# KiCad board raw.kicad_pcb
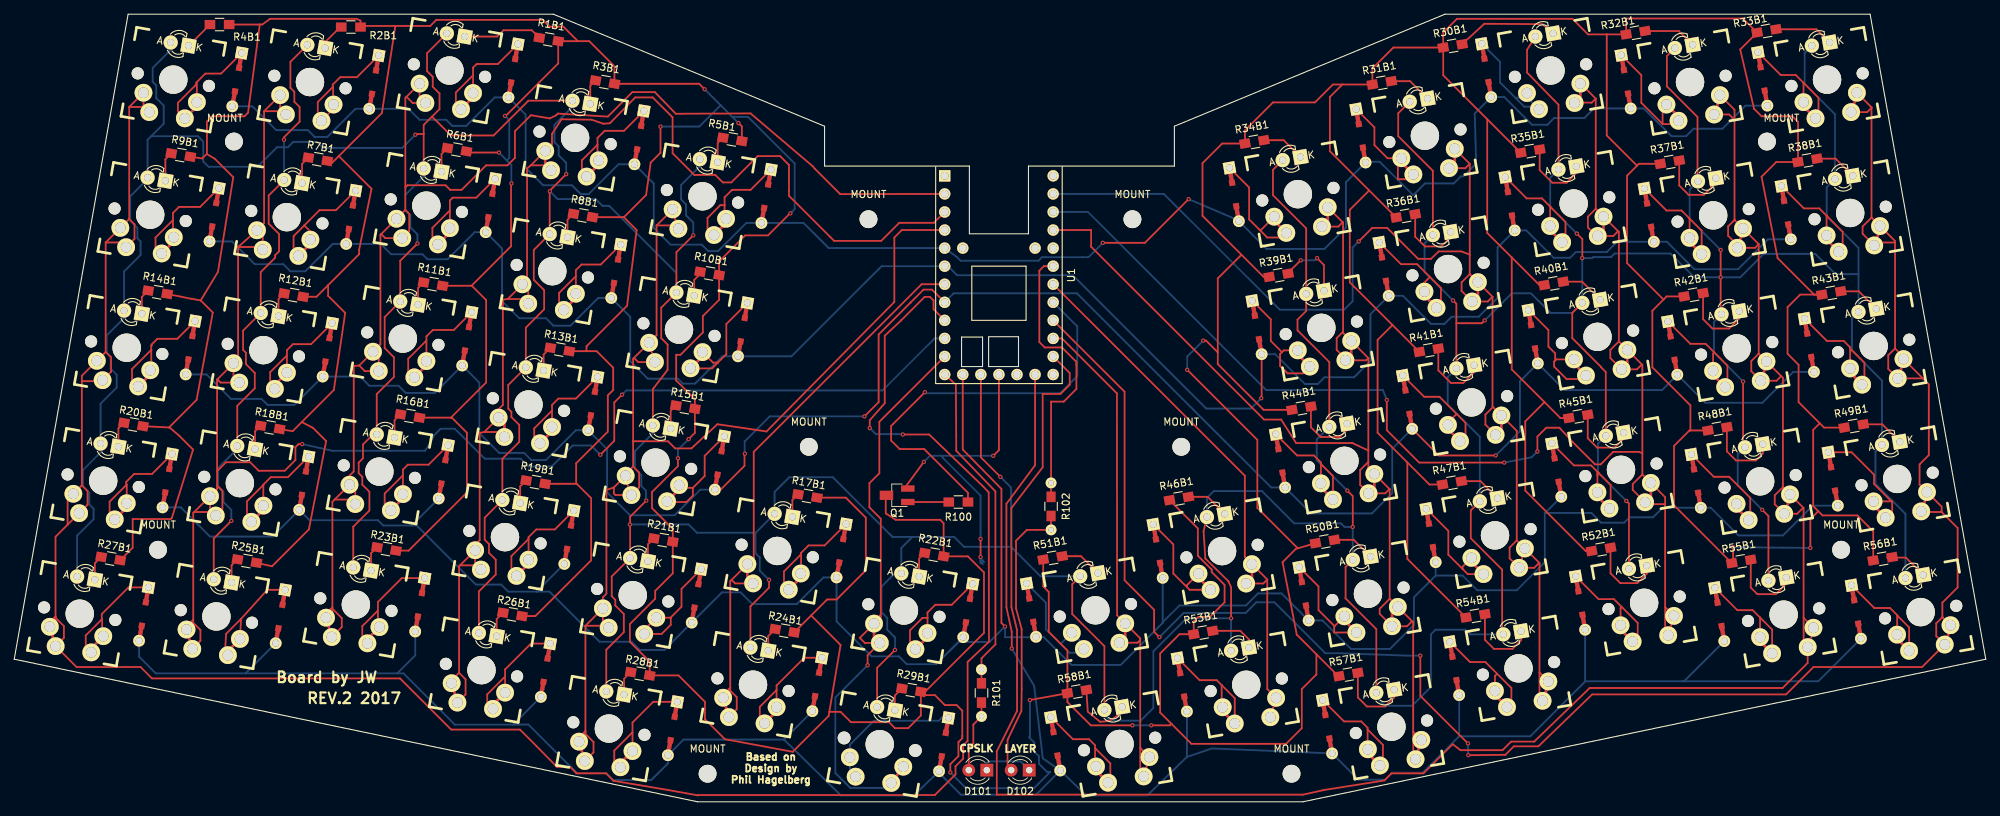
[diagram p0: board, top side]
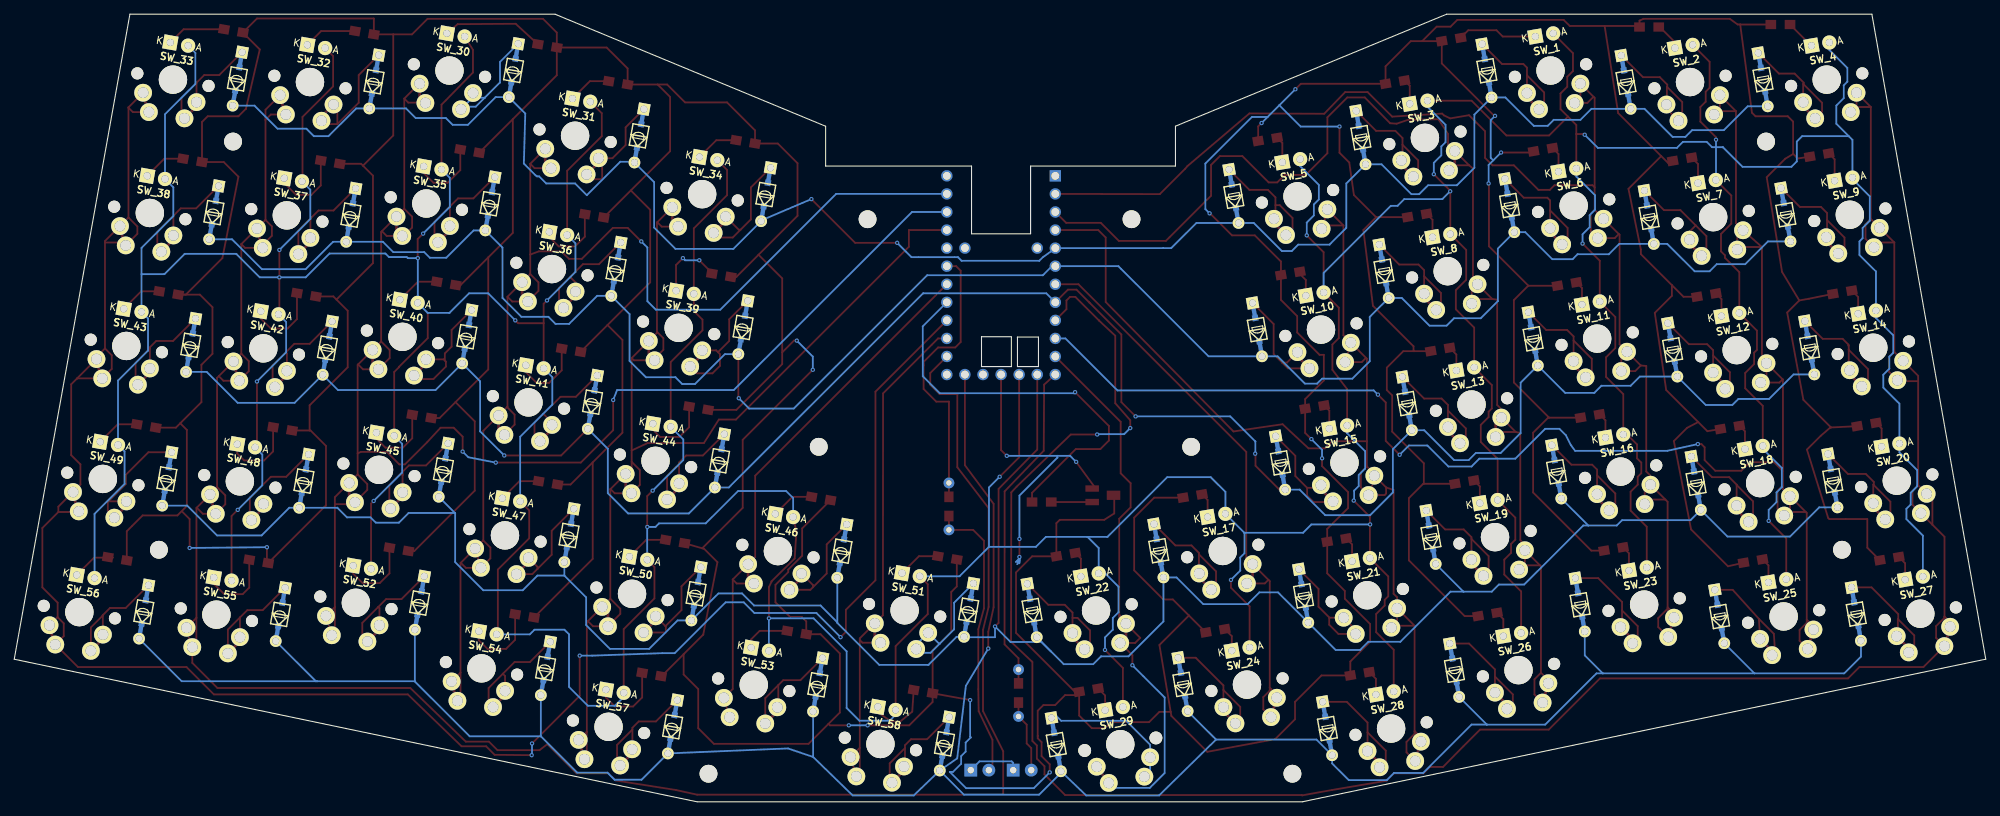
[diagram p1: board, bottom side, seen from below]

Outline 277 x 110.75 mm; copper layers: Top, Bottom. Coordinates in mm from the lower left corner of the outline.
Outline path: 136.9,65.35 136.9,61.2 141.1,61.2 141.1,65.4 136.9,65.4 ; 0,20.05 16,110.75 75.75,110.75 113.85,95 113.85,89.4 134.2,89.4 134.2,79.88 142.5,79.88 142.5,89.4 163,89.4 163,95 201,110.75 260.75,110.75 277,20.05 181.05,0 96,0 0,20.05 ; 133.1,65.35 133.1,61.2 136.05,61.2 136.05,65.35 133.1,65.35

## Placement (name value [footprint] x y rotation side)
D1  D  [DIODE-thru]  70.1 102.8 80 bottom
D2  D  [DIODE-thru]  50.55 101.2 80 bottom
D3  D  [DIODE-thru]  87.8 93.4 80 bottom
D4  D  [DIODE-thru]  31.3 101.55 80 bottom
D5  D  [DIODE-thru]  105.65 85.15 80 bottom
D6  D  [DIODE-thru]  66.9 83.85 80 bottom
D7  D  [DIODE-thru]  47.3 82.2 80 bottom
D8  D  [DIODE-thru]  84.55 74.6 80 bottom
D9  D  [DIODE-thru]  28.1 82.55 80 bottom
D10  D  [DIODE-thru]  102.35 66.39 80 bottom
D11  D  [DIODE-thru]  63.6 65.1 80 bottom
D12  D  [DIODE-thru]  44 63.55 80 bottom
D13  D  [DIODE-thru]  81.3 56 80 bottom
D14  D  [DIODE-thru]  24.75 63.85 80 bottom
D15  D  [DIODE-thru]  99.1 47.65 80 bottom
D16  D  [DIODE-thru]  60.3 46.4 80 bottom
D17  D  [DIODE-thru]  116.2 35.3 80 bottom
D18  D  [DIODE-thru]  40.7 44.8 80 bottom
D19  D  [DIODE-thru]  77.95 37.2 80 bottom
D20  D  [DIODE-thru]  21.5 45.15 80 bottom
D21  D  [DIODE-thru]  95.85 28.95 80 bottom
D22  D  [DIODE-thru]  134 26.89 80 bottom
D23  D  [DIODE-thru]  57 27.7 80 bottom
D24  D  [DIODE-thru]  112.8 16.5 80 bottom
D25  D  [DIODE-thru]  37.4 26.05 80 bottom
D26  D  [DIODE-thru]  74.65 18.5 80 bottom
D27  D  [DIODE-thru]  18.2 26.4 80 bottom
D28  D  [DIODE-thru]  92.5 10.3 80 bottom
D29  D  [DIODE-thru]  130.6 8.04 80 bottom
D30  D  [DIODE-thru]  206.85 102.85 100 bottom
D31  D  [DIODE-thru]  189.2 93.65 100 bottom
D32  D  [DIODE-thru]  226.45 101.25 100 bottom
D33  D  [DIODE-thru]  245.65 101.65 100 bottom
D34  D  [DIODE-thru]  171.4 85.4 100 bottom
D35  D  [DIODE-thru]  210.15 84.1 100 bottom
D36  D  [DIODE-thru]  192.45 74.9 100 bottom
D37  D  [DIODE-thru]  229.7 82.5 100 bottom
D38  D  [DIODE-thru]  248.95 82.85 100 bottom
D39  D  [DIODE-thru]  174.6 66.7 100 bottom
D40  D  [DIODE-thru]  213.4 65.4 100 bottom
D41  D  [DIODE-thru]  195.75 56.2 100 bottom
D42  D  [DIODE-thru]  233 63.8 100 bottom
D43  D  [DIODE-thru]  252.2 64.2 100 bottom
D44  D  [DIODE-thru]  177.9 47.95 100 bottom
D45  D  [DIODE-thru]  216.7 46.65 100 bottom
D46  D  [DIODE-thru]  160.7 35.25 100 bottom
D47  D  [DIODE-thru]  199.05 37.45 100 bottom
D48  D  [DIODE-thru]  236.3 45.1 100 bottom
D49  D  [DIODE-thru]  255.55 45.4 100 bottom
D50  D  [DIODE-thru]  181.2 29.25 100 bottom
D51  D  [DIODE-thru]  142.9 26.95 100 bottom
D52  D  [DIODE-thru]  220.05 27.95 100 bottom
D53  D  [DIODE-thru]  164.1 16.45 100 bottom
D54  D  [DIODE-thru]  202.35 18.75 100 bottom
D55  D  [DIODE-thru]  239.6 26.35 100 bottom
D56  D  [DIODE-thru]  258.8 26.7 100 bottom
D57  D  [DIODE-thru]  184.5 10.55 100 bottom
D58  D  [DIODE-thru]  146.3 8.15 100 bottom
D101  Led_Small  [LED_D3.0mm]  136.65 4.45 180 top
D102  Led_Small  [LED_D3.0mm]  142.61 4.45 180 top
MOUNT  -  [MountingHole_2.5mm]  20.2 35.44 0 top
MOUNT#2  -  [MountingHole_2.5mm]  30.87 92.84 0 top
MOUNT#3  -  [MountingHole_2.5mm]  256.67 35.44 0 top
MOUNT#4  -  [MountingHole_2.5mm]  246.26 92.84 0 top
MOUNT#5  -  [MountingHole_2.5mm]  111.64 49.92 0 top
MOUNT#6  -  [MountingHole_2.5mm]  163.96 49.92 0 top
MOUNT#7  -  [MountingHole_2.5mm]  97.42 3.94 0 top
MOUNT#8  -  [MountingHole_2.5mm]  179.46 3.94 0 top
MOUNT#9  -  [MountingHole_2.5mm]  157.11 81.92 0 top
MOUNT#10  -  [MountingHole_2.5mm]  120.02 81.92 0 top
Q1  Q_NPN_EBC  [SOT-23]  124.05 43.1 180 top
R1B1  R_Small  [R_0805_HandSoldering]  75.1 107.2 170 top
R2B1  R_Small  [R_0805_HandSoldering]  47.3 108.95 180 top
R3B1  R_Small  [R_0805_HandSoldering]  83 101.2 170 top
R4B1  R_Small  [R_0805_HandSoldering]  28.85 109.3 180 top
R5B1  R_Small  [R_0805_HandSoldering]  100.9 93.15 170 top
R6B1  R_Small  [R_0805_HandSoldering]  62.2 91.7 170 top
R7B1  R_Small  [R_0805_HandSoldering]  42.65 90.35 170 top
R8B1  R_Small  [R_0805_HandSoldering]  79.9 82.45 170 top
R9B1  R_Small  [R_0805_HandSoldering]  23.4 90.95 170 top
R10B1  R_Small  [R_0805_HandSoldering]  97.7 74.3 170 top
R11B1  R_Small  [R_0805_HandSoldering]  58.85 72.8 170 top
R12B1  R_Small  [R_0805_HandSoldering]  39.25 71.25 170 top
R13B1  R_Small  [R_0805_HandSoldering]  76.65 63.6 170 top
R14B1  R_Small  [R_0805_HandSoldering]  20.15 71.65 170 top
R15B1  R_Small  [R_0805_HandSoldering]  94.3 55.5 170 top
R16B1  R_Small  [R_0805_HandSoldering]  55.6 54.25 170 top
R17B1  R_Small  [R_0805_HandSoldering]  111.45 43 170 top
R18B1  R_Small  [R_0805_HandSoldering]  35.95 52.65 170 top
R19B1  R_Small  [R_0805_HandSoldering]  73.25 44.95 170 top
R20B1  R_Small  [R_0805_HandSoldering]  16.75 53.05 170 top
R21B1  R_Small  [R_0805_HandSoldering]  91.2 36.8 170 top
R22B1  R_Small  [R_0805_HandSoldering]  129.25 34.75 170 top
R23B1  R_Small  [R_0805_HandSoldering]  52.3 35.55 170 top
R24B1  R_Small  [R_0805_HandSoldering]  108.25 24.05 170 top
R25B1  R_Small  [R_0805_HandSoldering]  32.7 33.85 170 top
R26B1  R_Small  [R_0805_HandSoldering]  70 26.35 170 top
R27B1  R_Small  [R_0805_HandSoldering]  13.55 34.2 170 top
R28B1  R_Small  [R_0805_HandSoldering]  87.95 18 170 top
R29B1  R_Small  [R_0805_HandSoldering]  126.05 15.7 170 top
R30B1  R_Small  [R_0805_HandSoldering]  202.1 106.3 10 top
R31B1  R_Small  [R_0805_HandSoldering]  192.15 101.1 10 top
R32B1  R_Small  [R_0805_HandSoldering]  227.8 108.15 10 top
R33B1  R_Small  [R_0805_HandSoldering]  246.2 108.4 10 top
R34B1  R_Small  [R_0805_HandSoldering]  174.25 92.8 10 top
R35B1  R_Small  [R_0805_HandSoldering]  213 91.5 10 top
R36B1  R_Small  [R_0805_HandSoldering]  195.5 82.4 10 top
R37B1  R_Small  [R_0805_HandSoldering]  232.6 89.95 10 top
R38B1  R_Small  [R_0805_HandSoldering]  251.95 90.2 10 top
R39B1  R_Small  [R_0805_HandSoldering]  177.65 74.05 10 top
R40B1  R_Small  [R_0805_HandSoldering]  216.3 72.9 10 top
R41B1  R_Small  [R_0805_HandSoldering]  198.75 63.5 10 top
R42B1  R_Small  [R_0805_HandSoldering]  235.95 71.3 10 top
R43B1  R_Small  [R_0805_HandSoldering]  255.3 71.55 10 top
R44B1  R_Small  [R_0805_HandSoldering]  180.85 55.35 10 top
R45B1  R_Small  [R_0805_HandSoldering]  219.75 54.2 10 top
R46B1  R_Small  [R_0805_HandSoldering]  163.65 42.65 10 top
R47B1  R_Small  [R_0805_HandSoldering]  202 44.85 10 top
R48B1  R_Small  [R_0805_HandSoldering]  239.3 52.45 10 top
R49B1  R_Small  [R_0805_HandSoldering]  258.45 52.85 10 top
R50B1  R_Small  [R_0805_HandSoldering]  184.15 36.6 10 top
R51B1  R_Small  [R_0805_HandSoldering]  145.9 34.3 10 top
R52B1  R_Small  [R_0805_HandSoldering]  222.95 35.5 10 top
R53B1  R_Small  [R_0805_HandSoldering]  167.05 23.8 10 top
R54B1  R_Small  [R_0805_HandSoldering]  205.3 26.15 10 top
R55B1  R_Small  [R_0805_HandSoldering]  242.65 33.8 10 top
R56B1  R_Small  [R_0805_HandSoldering]  262.52 34.17 10 top
R57B1  R_Small  [R_0805_HandSoldering]  187.45 17.9 10 top
R58B1  R_Small  [R_0805_HandSoldering]  149.3 15.5 10 top
R100  R_Small  [R_0805_HandSoldering]  132.65 42.15 180 top
R101  R_Small  [R_0805_HandSoldering-holes]  135.9 15.3 270 top
R102  R_Small  [R_0805_HandSoldering-holes]  145.68 41.54 270 top
SW_1  MX_LED  [MX_LED_mirrored]  61.15 102.83 170 top
SW_2  MX_LED  [MX_LED_mirrored]  41.55 101.21 170 top
SW_3  MX_LED  [MX_LED_mirrored]  78.8 93.36 170 top
SW_4  MX_LED  [MX_LED_mirrored]  22.35 101.55 170 top
SW_5  MX_LED  [MX_LED_mirrored]  96.7 85.14 170 top
SW_6  MX_LED  [MX_LED_mirrored]  57.9 83.83 170 top
SW_7  MX_LED  [MX_LED_mirrored]  38.3 82.21 170 top
SW_8  MX_LED  [MX_LED_mirrored]  75.6 74.61 170 top
SW_9  MX_LED  [MX_LED_mirrored]  19.1 82.55 170 top
SW_10  MX_LED  [MX_LED_mirrored]  93.4 66.39 170 top
SW_11  MX_LED  [MX_LED_mirrored]  54.6 65.13 170 top
SW_12  MX_LED  [MX_LED_mirrored]  35 63.51 170 top
SW_13  MX_LED  [MX_LED_mirrored]  72.25 55.86 170 top
SW_14  MX_LED  [MX_LED_mirrored]  15.8 63.85 170 top
SW_15  MX_LED  [MX_LED_mirrored]  90.1 47.69 170 top
SW_16  MX_LED  [MX_LED_mirrored]  51.3 46.43 170 top
SW_17  MX_LED  [MX_LED_mirrored]  107.2 35.27 170 top
SW_18  MX_LED  [MX_LED_mirrored]  31.7 44.81 170 top
SW_19  MX_LED  [MX_LED_mirrored]  68.95 37.21 170 top
SW_20  MX_LED  [MX_LED_mirrored]  12.5 45.15 170 top
SW_21  MX_LED  [MX_LED_mirrored]  86.9 29.04 170 top
SW_22  MX_LED  [MX_LED_mirrored]  125 26.89 170 top
SW_23  MX_LED  [MX_LED_mirrored]  48 27.73 170 top
SW_24  MX_LED  [MX_LED_mirrored]  103.8 16.47 170 top
SW_25  MX_LED  [MX_LED_mirrored]  28.4 26.06 170 top
SW_26  MX_LED  [MX_LED_mirrored]  65.65 18.51 170 top
SW_27  MX_LED  [MX_LED_mirrored]  9.2 26.45 170 top
SW_28  MX_LED  [MX_LED_mirrored]  83.55 10.29 170 top
SW_29  MX_LED  [MX_LED_otherside]  121.6 8.09 170 top
SW_30  MX_LED  [MX_LED_otherside#2]  215.85 102.83 190 top
SW_31  MX_LED  [MX_LED_otherside#2]  198.2 93.66 190 top
SW_32  MX_LED  [MX_LED_otherside#2]  235.45 101.21 190 top
SW_33  MX_LED  [MX_LED_otherside#2]  254.7 101.55 190 top
SW_34  MX_LED  [MX_LED_otherside#2]  180.35 85.44 190 top
SW_35  MX_LED  [MX_LED_otherside#2]  219.1 84.13 190 top
SW_36  MX_LED  [MX_LED_otherside#2]  201.45 74.91 190 top
SW_37  MX_LED  [MX_LED_otherside#2]  238.7 82.46 190 top
SW_38  MX_LED  [MX_LED_otherside#2]  257.95 82.8 190 top
SW_39  MX_LED  [MX_LED_otherside#2]  183.65 66.64 190 top
SW_40  MX_LED  [MX_LED_otherside#2]  222.45 65.38 190 top
SW_41  MX_LED  [MX_LED_otherside#2]  204.75 56.16 190 top
SW_42  MX_LED  [MX_LED_otherside#2]  242 63.76 190 top
SW_43  MX_LED  [MX_LED_otherside#2]  261.25 64.1 190 top
SW_44  MX_LED  [MX_LED_otherside#2]  186.9 47.94 190 top
SW_45  MX_LED  [MX_LED_otherside#2]  225.75 46.68 190 top
SW_46  MX_LED  [MX_LED_otherside#2]  169.7 35.25 190 top
SW_47  MX_LED  [MX_LED_otherside#2]  208.05 37.46 190 top
SW_48  MX_LED  [MX_LED_otherside#2]  245.3 45.06 190 top
SW_49  MX_LED  [MX_LED_otherside#2]  264.55 45.4 190 top
SW_50  MX_LED  [MX_LED_otherside#2]  190.2 29.25 190 top
SW_51  MX_LED  [MX_LED_otherside#2]  151.9 26.93 190 top
SW_52  MX_LED  [MX_LED_otherside#2]  229 27.98 190 top
SW_53  MX_LED  [MX_LED_otherside#2]  173.1 16.45 190 top
SW_54  MX_LED  [MX_LED_otherside#2]  211.35 18.76 190 top
SW_55  MX_LED  [MX_LED_otherside#2]  248.6 26.31 190 top
SW_56  MX_LED  [MX_LED_otherside#2]  267.85 26.67 190 top
SW_57  MX_LED  [MX_LED_otherside#2]  193.5 10.54 190 top
SW_58  MX_LED  [MX_LED_otherside#2]  155.3 8.13 190 top
U1  -  [Teensy2.0]  138.35 74.05 270 top

## Footprints (pads in the part's own frame, mm; a bottom-side part is the same pattern mirrored in y, then rotated)
DIODE-thru
  round 1.651 hole 0.991: 1(-3.81,0)
  rect 1.651x1.651 hole 0.991: 2(3.81,0)
  rect 0.838x0.838 smd far side: 99(-1.664,0) 99(1.664,0)
  rect 0.838x0.838 smd: 99(-1.664,0) 99(1.664,0)
LED_D3.0mm
  rect 1.8x1.8 hole 0.9: 1(0,0)
  round 1.8 hole 0.9: 2(2.54,0)
MountingHole_2.5mm
  round 2.5 hole 2.5 unplated: (0,0)
MX_LED_mirrored
  round 1.702 hole 1.702 unplated: (-5.08,0) (5.08,0)
  round 3.988 hole 3.988 unplated: (0,0)
  round 2 hole 1: A(1.27,-5.08)
  rect 2x2 hole 1: K(-1.27,-5.08)
  round 2.5 hole 1.499: SW1(2.54,5.08) SW1(3.81,2.54) SW2(-3.81,2.54) SW2(-2.54,5.08)
MX_LED_otherside
  round 1.8 hole 1.8 unplated: (-5.08,0) (5.08,0)
  round 3.988 hole 3.988 unplated: (0,0)
  round 2 hole 1: A(1.27,-5.08)
  rect 2x2 hole 1: K(-1.27,-5.08)
  round 2.5 hole 1.499: SW1(-3.81,2.54) SW1(-2.54,5.08) SW2(2.54,5.08) SW2(3.81,2.54)
MX_LED_otherside#2
  round 1.702 hole 1.702 unplated: (-5.08,0) (5.08,0)
  round 3.988 hole 3.988 unplated: (0,0)
  round 2 hole 1: A(1.27,-5.08)
  rect 2x2 hole 1: K(-1.27,-5.08)
  round 2.5 hole 1.499: SW1(-3.81,2.54) SW1(-2.54,5.08) SW2(2.54,5.08) SW2(3.81,2.54)
R_0805_HandSoldering
  rect 1.5x1.3 smd: 1(-1.35,0) 2(1.35,0)
R_0805_HandSoldering-holes
  round 1.524 hole 0.762: 1(-3.3,0) 2(3.3,0)
  rect 1.5x1.3 smd: 1(-1.35,0) 2(1.35,0)
SOT-23
  rect 1.9x0.9 smd: 1(-1.5,-0.95) 2(-1.5,0.95)
  rect 1.9x1.3 smd: 3(1.5,0)
Teensy2.0
  round 1.6 hole 1.1: 2(-11.43,-7.62) 3(-8.89,-7.62) 4(-6.35,-7.62) 5(-3.81,-7.62) 6(-1.27,-7.62) 7(1.27,-7.62) 8(3.81,-7.62) 9(6.35,-7.62) 10(8.89,-7.62) 11(11.43,-7.62) 12(13.97,-7.62) 13(13.97,-5.08) 14(13.97,-2.54) 15(13.97,0) 16(13.97,2.54) 17(13.97,5.08) 18(13.97,7.62) 19(11.43,7.62) 20(8.89,7.62) 21(6.35,7.62) 22(3.81,7.62) 23(1.27,7.62) 24(-1.27,7.62) 25(-3.81,7.62) 26(-6.35,7.62) 27(-8.89,7.62) 28(-11.43,7.62) 29(-13.97,7.62) 30(-3.81,-5.08) 31(-3.81,5.08)
  rect 1.6x1.6 hole 1.1: GND(-13.97,-7.62)

## Nets
Net-(D1-Pad1): D1.1 D2.1 D3.1 D4.1 D5.1 D30.1 D31.1 D32.1 D33.1 D34.1 U1.5
Net-(D1-Pad2): D1.2 SW_1.SW2
Net-(D2-Pad2): D2.2 SW_2.SW2
Net-(D3-Pad2): D3.2 SW_3.SW2
Net-(D4-Pad2): D4.2 SW_4.SW2
Net-(D5-Pad2): D5.2 SW_5.SW2
Net-(D6-Pad2): D6.2 SW_6.SW2
Net-(D7-Pad2): D7.2 SW_7.SW2
Net-(D8-Pad2): D8.2 SW_8.SW2
Net-(D9-Pad2): D9.2 SW_9.SW2
Net-(D10-Pad1): D6.1 D7.1 D8.1 D9.1 D10.1 D35.1 D36.1 D37.1 D38.1 D39.1 U1.6
Net-(D10-Pad2): D10.2 SW_10.SW2
Net-(D11-Pad1): D11.1 D12.1 D13.1 D14.1 D15.1 D40.1 D41.1 D42.1 D43.1 D44.1 U1.8
Net-(D11-Pad2): D11.2 SW_11.SW2
Net-(D12-Pad2): D12.2 SW_12.SW2
Net-(D13-Pad2): D13.2 SW_13.SW2
Net-(D14-Pad2): D14.2 SW_14.SW2
Net-(D15-Pad2): D15.2 SW_15.SW2
Net-(D16-Pad1): D16.1 D17.1 D18.1 D19.1 D20.1 D21.1 D22.1 D45.1 D46.1 D47.1 D48.1 D49.1 D50.1 D51.1 U1.13
Net-(D16-Pad2): D16.2 SW_16.SW2
Net-(D17-Pad2): D17.2 SW_17.SW2
Net-(D18-Pad2): D18.2 SW_18.SW2
Net-(D19-Pad2): D19.2 SW_19.SW2
Net-(D20-Pad2): D20.2 SW_20.SW2
Net-(D21-Pad2): D21.2 SW_21.SW2
Net-(D22-Pad2): D22.2 SW_22.SW2
Net-(D23-Pad1): D23.1 D24.1 D25.1 D26.1 D27.1 D28.1 D29.1 D52.1 D53.1 D54.1 D55.1 D56.1 D57.1 D58.1 U1.17
Net-(D23-Pad2): D23.2 SW_23.SW2
Net-(D24-Pad2): D24.2 SW_24.SW2
Net-(D25-Pad2): D25.2 SW_25.SW2
Net-(D26-Pad2): D26.2 SW_26.SW2
Net-(D27-Pad2): D27.2 SW_27.SW2
Net-(D28-Pad2): D28.2 SW_28.SW2
Net-(D29-Pad2): D29.2 SW_29.SW2
Net-(D30-Pad2): D30.2 SW_30.SW2
Net-(D31-Pad2): D31.2 SW_31.SW2
Net-(D32-Pad2): D32.2 SW_32.SW2
Net-(D33-Pad2): D33.2 SW_33.SW2
Net-(D34-Pad2): D34.2 SW_34.SW2
Net-(D35-Pad2): D35.2 SW_35.SW2
Net-(D36-Pad2): D36.2 SW_36.SW2
Net-(D37-Pad2): D37.2 SW_37.SW2
Net-(D38-Pad2): D38.2 SW_38.SW2
Net-(D39-Pad2): D39.2 SW_39.SW2
Net-(D40-Pad2): D40.2 SW_40.SW2
Net-(D41-Pad2): D41.2 SW_41.SW2
Net-(D42-Pad2): D42.2 SW_42.SW2
Net-(D43-Pad2): D43.2 SW_43.SW2
Net-(D44-Pad2): D44.2 SW_44.SW2
Net-(D45-Pad2): D45.2 SW_45.SW2
Net-(D46-Pad2): D46.2 SW_46.SW2
Net-(D47-Pad2): D47.2 SW_47.SW2
Net-(D48-Pad2): D48.2 SW_48.SW2
Net-(D49-Pad2): D49.2 SW_49.SW2
Net-(D50-Pad2): D50.2 SW_50.SW2
Net-(D51-Pad2): D51.2 SW_51.SW2
Net-(D52-Pad2): D52.2 SW_52.SW2
Net-(D53-Pad2): D53.2 SW_53.SW2
Net-(D54-Pad2): D54.2 SW_54.SW2
Net-(D55-Pad2): D55.2 SW_55.SW2
Net-(D56-Pad2): D56.2 SW_56.SW2
Net-(D57-Pad2): D57.2 SW_57.SW2
Net-(D58-Pad2): D58.2 SW_58.SW2
Net-(D101-Pad1): D101.1 D102.1
Net-(D101-Pad2): D101.2 R101.2
Net-(D102-Pad2): D102.2 R102.2
Net-(Q1-Pad1): Q1.1 U1.15
Net-(Q1-Pad2): Q1.2 R100.2
Net-(Q1-Pad3): Q1.3 R1B1.1 R2B1.1 R3B1.1 R4B1.1 R5B1.1 R6B1.1 R7B1.1 R8B1.1 R9B1.1 R10B1.1 R11B1.1 R12B1.1 R13B1.1 R14B1.1 R15B1.1 R16B1.1 R17B1.1 R18B1.1 R19B1.1 R20B1.1 R21B1.1 R22B1.1 R23B1.1 R24B1.1 R25B1.1 R26B1.1 R27B1.1 R28B1.1 R29B1.1 R30B1.1 R31B1.1 R32B1.1 R33B1.1 R34B1.1 R35B1.1 R36B1.1 R37B1.1 R38B1.1 R39B1.1 R40B1.1 R41B1.1 R42B1.1 R43B1.1 R44B1.1 R45B1.1 R46B1.1 R47B1.1 R48B1.1 R49B1.1 R50B1.1 R51B1.1 R52B1.1 R53B1.1 R54B1.1 R55B1.1 R56B1.1 R57B1.1 R58B1.1
Net-(R1B1-Pad2): R1B1.2 SW_1.K
Net-(R2B1-Pad2): R2B1.2 SW_2.K
Net-(R3B1-Pad2): R3B1.2 SW_3.K
Net-(R4B1-Pad2): R4B1.2 SW_4.K
Net-(R5B1-Pad2): R5B1.2 SW_5.K
Net-(R6B1-Pad2): R6B1.2 SW_6.K
Net-(R7B1-Pad2): R7B1.2 SW_7.K
Net-(R8B1-Pad2): R8B1.2 SW_8.K
Net-(R9B1-Pad2): R9B1.2 SW_9.K
Net-(R10B1-Pad2): R10B1.2 SW_10.K
Net-(R11B1-Pad2): R11B1.2 SW_11.K
Net-(R12B1-Pad2): R12B1.2 SW_12.K
Net-(R13B1-Pad2): R13B1.2 SW_13.K
Net-(R14B1-Pad2): R14B1.2 SW_14.K
Net-(R15B1-Pad2): R15B1.2 SW_15.K
Net-(R16B1-Pad2): R16B1.2 SW_16.K
Net-(R17B1-Pad2): R17B1.2 SW_17.K
Net-(R18B1-Pad2): R18B1.2 SW_18.K
Net-(R19B1-Pad2): R19B1.2 SW_19.K
Net-(R20B1-Pad2): R20B1.2 SW_20.K
Net-(R21B1-Pad2): R21B1.2 SW_21.K
Net-(R22B1-Pad2): R22B1.2 SW_22.K
Net-(R23B1-Pad2): R23B1.2 SW_23.K
Net-(R24B1-Pad2): R24B1.2 SW_24.K
Net-(R25B1-Pad2): R25B1.2 SW_25.K
Net-(R26B1-Pad2): R26B1.2 SW_26.K
Net-(R27B1-Pad2): R27B1.2 SW_27.K
Net-(R28B1-Pad2): R28B1.2 SW_28.K
Net-(R29B1-Pad2): R29B1.2 SW_29.K
Net-(R30B1-Pad2): R30B1.2 SW_30.K
Net-(R31B1-Pad2): R31B1.2 SW_31.K
Net-(R32B1-Pad2): R32B1.2 SW_32.K
Net-(R33B1-Pad2): R33B1.2 SW_33.K
Net-(R34B1-Pad2): R34B1.2 SW_34.K
Net-(R35B1-Pad2): R35B1.2 SW_35.K
Net-(R36B1-Pad2): R36B1.2 SW_36.K
Net-(R37B1-Pad2): R37B1.2 SW_37.K
Net-(R38B1-Pad2): R38B1.2 SW_38.K
Net-(R39B1-Pad2): R39B1.2 SW_39.K
Net-(R40B1-Pad2): R40B1.2 SW_40.K
Net-(R41B1-Pad2): R41B1.2 SW_41.K
Net-(R42B1-Pad2): R42B1.2 SW_42.K
Net-(R43B1-Pad2): R43B1.2 SW_43.K
Net-(R44B1-Pad2): R44B1.2 SW_44.K
Net-(R45B1-Pad2): R45B1.2 SW_45.K
Net-(R46B1-Pad2): R46B1.2 SW_46.K
Net-(R47B1-Pad2): R47B1.2 SW_47.K
Net-(R48B1-Pad2): R48B1.2 SW_48.K
Net-(R49B1-Pad2): R49B1.2 SW_49.K
Net-(R50B1-Pad2): R50B1.2 SW_50.K
Net-(R51B1-Pad2): R51B1.2 SW_51.K
Net-(R52B1-Pad2): R52B1.2 SW_52.K
Net-(R53B1-Pad2): R53B1.2 SW_53.K
Net-(R54B1-Pad2): R54B1.2 SW_54.K
Net-(R55B1-Pad2): R55B1.2 SW_55.K
Net-(R56B1-Pad2): R56B1.2 SW_56.K
Net-(R57B1-Pad2): R57B1.2 SW_57.K
Net-(R58B1-Pad2): R58B1.2 SW_58.K
Net-(R100-Pad1): R100.1 U1.22
Net-(R101-Pad1): R101.1 U1.12
Net-(R102-Pad1): R102.1 U1.24
Net-(SW_1-PadA): SW_1.A SW_2.A SW_3.A SW_4.A SW_5.A SW_6.A SW_7.A SW_8.A SW_9.A SW_10.A SW_11.A SW_12.A SW_13.A SW_14.A SW_15.A SW_16.A SW_17.A SW_18.A SW_19.A SW_20.A SW_21.A SW_22.A SW_23.A SW_24.A SW_25.A SW_26.A SW_27.A SW_28.A SW_29.A SW_30.A SW_31.A SW_32.A SW_33.A SW_34.A SW_35.A SW_36.A SW_37.A SW_38.A SW_39.A SW_40.A SW_41.A SW_42.A SW_43.A SW_44.A SW_45.A SW_46.A SW_47.A SW_48.A SW_49.A SW_50.A SW_51.A SW_52.A SW_53.A SW_54.A SW_55.A SW_56.A SW_57.A SW_58.A U1.14
Net-(SW_1-PadSW1): SW_1.SW1 SW_6.SW1 SW_11.SW1 SW_16.SW1 SW_23.SW1 U1.2
Net-(SW_10-PadSW1): SW_5.SW1 SW_10.SW1 SW_15.SW1 SW_21.SW1 SW_28.SW1 U1.4
Net-(SW_12-PadSW1): SW_2.SW1 SW_7.SW1 SW_12.SW1 SW_18.SW1 SW_25.SW1 U1.10
Net-(SW_13-PadSW1): SW_3.SW1 SW_8.SW1 SW_13.SW1 SW_19.SW1 SW_26.SW1 U1.3
Net-(SW_14-PadSW1): SW_4.SW1 SW_9.SW1 SW_14.SW1 SW_20.SW1 SW_27.SW1 U1.9
Net-(SW_17-PadSW1): SW_17.SW1 SW_24.SW1 U1.7
Net-(SW_22-PadSW1): SW_22.SW1 SW_29.SW1 U1.11
Net-(SW_30-PadSW1): SW_30.SW1 SW_35.SW1 SW_40.SW1 SW_45.SW1 SW_52.SW1 U1.27
Net-(SW_31-PadSW1): SW_31.SW1 SW_36.SW1 SW_41.SW1 SW_47.SW1 SW_54.SW1 U1.28
Net-(SW_32-PadSW1): SW_32.SW1 SW_37.SW1 SW_42.SW1 SW_48.SW1 SW_55.SW1 U1.19
Net-(SW_33-PadSW1): SW_33.SW1 SW_38.SW1 SW_43.SW1 SW_49.SW1 SW_56.SW1 U1.21
Net-(SW_34-PadSW1): SW_34.SW1 SW_39.SW1 SW_44.SW1 SW_50.SW1 SW_57.SW1 U1.26
Net-(SW_46-PadSW1): SW_46.SW1 SW_53.SW1 U1.23
Net-(SW_51-PadSW1): SW_51.SW1 SW_58.SW1 U1.20
Net-(U1-Pad16): U1.16
Net-(U1-Pad18): U1.18
Net-(U1-Pad25): U1.25
Net-(U1-Pad29): U1.29
Net-(U1-Pad30): U1.30
Net-(U1-Pad31): U1.31

Pads without a net: D1 99; D2 99; D3 99; D4 99; D5 99; D6 99; D7 99; D8 99; D9 99; D10 99; D11 99; D12 99; D13 99; D14 99; D15 99; D16 99; D17 99; D18 99; D19 99; D20 99; D21 99; D22 99; D23 99; D24 99; D25 99; D26 99; D27 99; D28 99; D29 99; D30 99; D31 99; D32 99; D33 99; D34 99; D35 99; D36 99; D37 99; D38 99; D39 99; D40 99; D41 99; D42 99; D43 99; D44 99; D45 99; D46 99; D47 99; D48 99; D49 99; D50 99; D51 99; D52 99; D53 99; D54 99; D55 99; D56 99; D57 99; D58 99; U1 GND

## Via types
v1: diameter 0.61, hole 0.305, Top to Bottom, 70 vias

## Routing (per net, layer and track width the routed paths; a pad name or vN(x,y) marks a point on that pad's centre or on a via; arc(x,y) is an arc through that point)
Net-(D1-Pad1): length 278.6
  Top w0.254: v1(152.95,78.6) 158.85,78.6 v1(165,84.75)
  Bottom w0.254: v1(165,84.75) 171.91,81.8 D34.1 175.96,77.75 184.1,77.75 187.1,80.75 187.1,87.14 D31.1 189.96,90 191.85,90 196.55,85.3 198.2,86.95 202.25,86.95 203.25,87.95 203.55,87.95 203.75,88.1 205.4,89.75 205.2,96.79 D30.1 209.35,99.1 213.25,95.2 215.4,95.2 216.35,96.15 220.6,96.15 221.95,97.5 D32.1 228.95,97.5 232.85,93.6 234.9,93.6 235.95,94.65 240,94.65 243.25,97.9 D33.1 ; 115.58,77.86 115.56,77.86 ; 115.58,77.86 114.44,77.86 110.9,81.4 D5.1 102.85,81.4 98.9,77.45 97.5,77.45 96.6,78.35 92.2,78.35 89.85,80.7 89.85,86.94 D3.1 84.9,89.65 80.7,85.45 79.6,85.45 78.35,86.7 74.3,86.7 71.85,89.15 71.85,96.64 D1.1 67.5,99.05 63.5,95.05 61.55,95.05 60.7,95.9 56.95,95.9 55.4,97.45 D2.1 47.95,97.45 44,93.5 42.2,93.5 41.25,94.45 36.8,94.45 33.45,97.8 D4.1 ; 115.58,77.86 U1.5 130.73,77.82 132.47,76.59 132.98,76.08 143.9,76.08 144.41,76.59 150.94,76.59 v1(152.95,78.6)
Net-(D1-Pad2): length 21.6
  Top w0.254: D1.2 67.96,103.75 64.97,103.75 64.46,103.24 64.46,102.16 ; 62.05,98.35 62.77,97.63 SW_1.SW2 62.05,98.11 62.05,99.75 64.46,102.16 ; 64.46,102.16 SW_1.SW2
  Top w0.381: SW_1.SW2 64.46,99.08 SW_1.SW2
Net-(D2-Pad2): length 20.9
  Top w0.254: 44.75,100.5 42.65,98.4 42.65,96.29 SW_2.SW2 ; 44.75,100.5 44.8,100.55 44.8,98.11 SW_2.SW2 44.86,97.46 SW_2.SW2 ; 44.75,100.5 44.75,100.85 45.8,101.9 48.16,101.9 D2.2 ; SW_2.SW2 42.73,95.77
  Top w0.381: 44.86,97.46 SW_2.SW2
Net-(D3-Pad2): length 20.8
  Top w0.254: 81.95,92.4 81.95,90.36 SW_3.SW2 ; 81.95,92.4 79.75,90.2 79.75,88.59 SW_3.SW2 79.53,87.92 ; 81.95,92.4 81.95,93.35 82.95,94.35 85.66,94.35 D3.2
  Top w0.381: SW_3.SW2 82.11,89.61 SW_3.SW2
Net-(D4-Pad2): length 21.5
  Top w0.254: 23.1,96.9 23.89,96.11 SW_4.SW2 23,97.08 23,98.3 25.58,100.87 ; 25.58,100.87 25.66,100.96 SW_4.SW2 ; 25.58,100.87 25.58,101.12 26.85,102.4 29.06,102.4 D4.2
  Top w0.381: SW_4.SW2 25.66,97.8 SW_4.SW2
Net-(D5-Pad2): length 20.1
  Top w0.254: 99.8,83.9 99.8,82.19 SW_5.SW2 ; 99.8,83.9 99.2,83.9 97.4,82.1 97.4,80.62 SW_5.SW2 ; 99.8,83.9 99.8,85 100.85,86.05 103.46,86.05 D5.2
  Top w0.381: SW_5.SW2 100.01,81.39 SW_5.SW2
Net-(D6-Pad2): length 21.2
  Top w0.254: D6.2 64.91,84.95 61.6,84.95 61.21,84.56 61.21,83.16 ; 61.21,83.16 58.75,80.7 58.75,79.16 SW_6.SW2 58.96,78.39 ; 61.21,83.16 SW_6.SW2
  Top w0.381: SW_6.SW2 61.21,80.08 SW_6.SW2
Net-(D7-Pad2): length 19.8
  Top w0.254: 40.75,81.05 39.25,79.55 39.25,77.44 SW_7.SW2 ; 40.75,81.05 41.61,80.19 SW_7.SW2 ; 40.75,81.05 42.9,83.2 45.21,83.2 D7.2
  Top w0.381: SW_7.SW2 41.61,78.46 SW_7.SW2
Net-(D8-Pad2): length 20.5
  Top w0.254: D8.2 82.41,75.55 79.7,75.55 78.91,74.76 78.91,73.91 ; 78.91,73.91 76.55,71.55 76.55,69.84 SW_8.SW2 76.78,69.17 ; 78.91,73.91 SW_8.SW2
  Top w0.381: SW_8.SW2 78.91,70.86 SW_8.SW2
Net-(D9-Pad2): length 22.6
  Top w0.254: 22.3,81.8 22.3,79.5 SW_9.SW2 23.1,78.7 ; 22.3,81.8 22.3,82.8 23.15,83.65 26.11,83.65 D9.2 ; 22.3,81.8 19.85,79.35 19.85,77.98 SW_9.SW2 19.9,77.93
  Top w0.381: SW_9.SW2 22.41,78.8 SW_9.SW2
Net-(D10-Pad1): length 297.7
  Top w0.254: v1(175.2,56.75) 175.26,56.81 D39.1
  Bottom w0.254: D39.1 177.15,62.95 181.35,58.75 183.15,58.75 184.1,59.7 188.25,59.7 190.55,62 190.55,68.59 D36.1 195.1,71.15 199.05,67.2 200.95,67.2 201.95,68.2 205.75,68.2 208.4,70.85 208.4,77.94 D35.1 212.45,80.35 216.3,76.5 218.6,76.5 219.4,77.3 223.75,77.3 225.2,78.75 D37.1 232.2,78.75 236.05,74.9 242.2,74.9 246.4,79.1 D38.1 ; v1(175.2,56.75) 173.75,55.3 167.47,55.3 148.72,74.05 132.47,74.05 131.2,75.32 U1.6 121.87,75.32 109.19,62.64 D10.1 99.49,62.64 95.65,58.8 93.95,58.8 93.25,59.5 89,59.5 86.55,61.95 86.55,68.19 D8.1 82.05,70.85 78.15,66.95 75.75,66.95 74.7,68 70.95,68 68.55,70.4 68.55,77.79 D6.1 64.7,80.1 60.9,76.3 58.05,76.3 57.35,77 52.95,77 51.5,78.45 D7.1 44.75,78.45 40.9,74.6 38.8,74.6 37.8,75.6 33.8,75.6 30.6,78.8 D9.1
Net-(D10-Pad2): length 21.2
  Top w0.254: SW_10.SW2 98.19,61.75 98.85,61.75 98.88,61.77 ; D10.2 100.05,67.19 100.05,62.95 98.88,61.77 ; 98.88,61.77 98.05,60.95 SW_10.SW2 ; SW_10.SW2 94.9,60.95 ; SW_10.SW2 95.77,60.2
  Top w0.381: SW_10.SW2 96.71,62.64 SW_10.SW2
Net-(D11-Pad1): length 315.1
  Top w0.254: v1(119.45,54.2) 121.45,56.2 121.45,65.72 125.92,70.18 ; 125.92,70.18 125.97,70.24 ; 125.92,70.18 127.75,72.02 128.95,72.02 U1.8 ; v1(208.15,48.7) 200.16,48.7 D41.1 ; v1(102.65,48.95) 102.6,48.9 102.6,47.25 99.25,43.9 D15.1
  Bottom w0.254: D15.1 96.4,43.9 92.8,40.3 86.5,40.3 83.3,43.5 83.3,49.59 D13.1 78.9,52.25 74.7,48.05 72.65,48.05 71.65,49.05 68.15,49.05 65.35,51.85 65.35,58.94 D11.1 59.09,57.5 55,57.5 54,58.5 49.9,58.5 48.6,59.8 D12.1 39.34,55.8 35.6,55.8 34.75,56.65 30.45,56.65 27,60.1 D14.1 ; v1(208.15,48.7) 211.55,52.1 211.55,59.14 D40.1 217.81,57.9 231.51,57.9 D42.1 237.61,56.1 245.6,56.1 249.95,60.45 D43.1 ; v1(119.45,54.2) 106.15,54.2 102.62,50.67 ; 102.65,50.7 102.62,50.67 ; 102.62,50.67 102.62,48.97 v1(102.65,48.95) ; U1.8 132,71.51 149.29,71.51 176.6,44.2 D44.1 182.21,40.55 190.75,40.55 193.6,43.4 193.6,49.64 D41.1